# Altium PCB IntelligentCarFor51PcbDoc.PcbDoc (part 13 of 14)
Units mil, origin at the board's own origin, x right, y up, seen from the top; angles counter-clockwise.
Board outline 2298.05 x 2090.03 mil, 2 copper layers (Top Layer, Bottom Layer); 55 components, 66 nets, 258 pads, 143 vias.
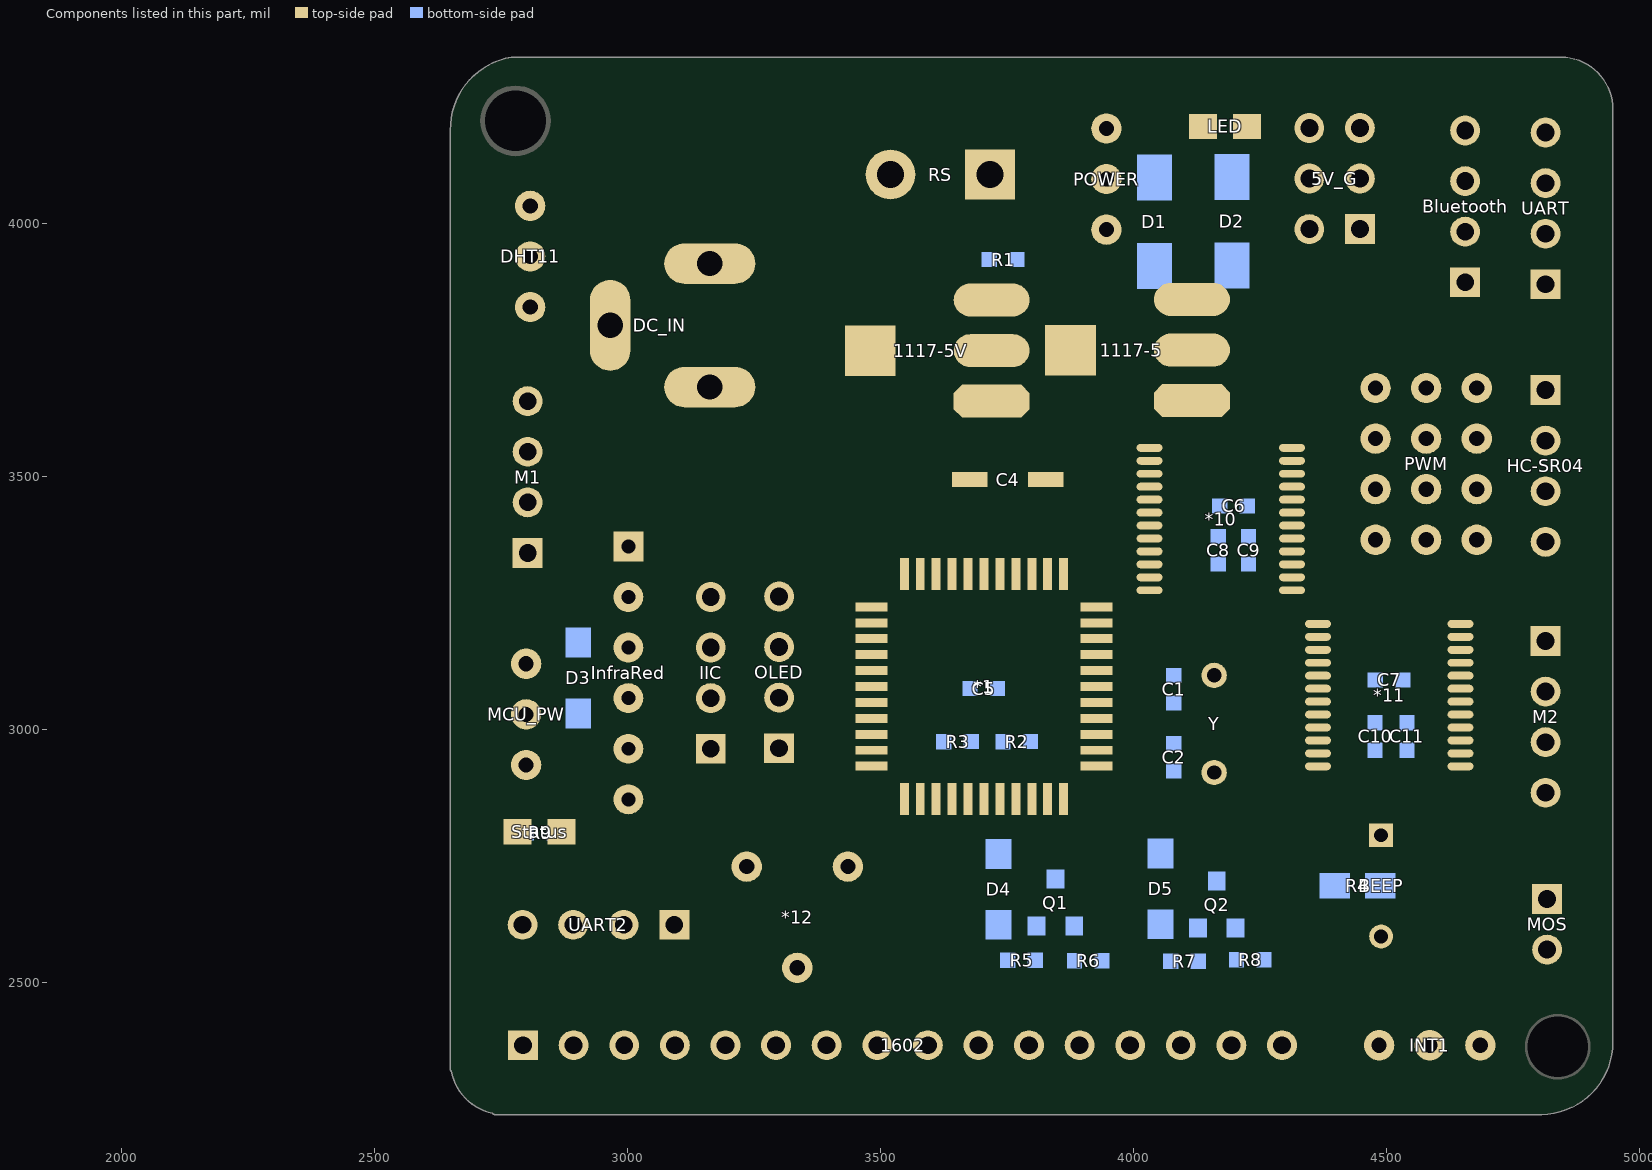
[diagram p13: the components of this part, seen from the top]

## Via types
v1: diameter 12, hole 8, Top Layer to Bottom Layer, 53 vias
v2: diameter 10, hole 7, Top Layer to Bottom Layer, 20 vias
v3: diameter 20, hole 12, Top Layer to Bottom Layer, 15 vias
v4: diameter 35, hole 25, Top Layer to Bottom Layer, 13 vias
v5: diameter 15, hole 10, Top Layer to Bottom Layer, 10 vias
v6: diameter 18, hole 12, Top Layer to Bottom Layer, 10 vias
v7: diameter 50, hole 35, Top Layer to Bottom Layer, 7 vias
v8: diameter 30, hole 20, Top Layer to Bottom Layer, 5 vias
v9: diameter 12, hole 7, Top Layer to Bottom Layer, 3 vias
v10: diameter 25, hole 18, Top Layer to Bottom Layer, 2 vias
v11: diameter 40, hole 30, Top Layer to Bottom Layer, 2 vias
v12: diameter 8, hole 7, Top Layer to Bottom Layer, 1 vias
v13: diameter 30, hole 22, Top Layer to Bottom Layer, 1 vias
v14: diameter 24, hole 18, Top Layer to Bottom Layer, 1 vias

## Nets (pads, with @x,y where several pads share a name; then routed paths per layer and width w, separated by ;. In a path a pad name is that pad's centre, name@x,y a point inside that pad or via, vN(x,y) a via of type N, cw(c..) or ccw(c..) an arc to the next point about the centre after c; other vN are vias at no path point) (continued)
copper on no net: (continued)
  Top Layer w0.5: 1916.5,2915.4 1954.5,2915.4 ; 1916.5,2915.9 1955,2915.9 ; 1916.5,2916.4 1955,2916.4 ; 1916.5,2916.9 1955,2916.9 ; 1916.5,2917.4 1955,2917.4 ; 1916.5,2917.9 1955.5,2917.9 ; 1916.5,2918.4 1955.5,2918.4 ; 1916.5,2918.9 1955.5,2918.9 ; 1916.5,2919.4 1918.5,2919.4 ; 1916.5,2919.9 1918,2919.9 ; 1916.5,2920.4 1918,2920.4 ; 1916.5,2920.9 1918,2920.9 ; 1916.5,2921.4 1918.5,2921.4 ; 1916.5,2921.9 1918.5,2921.9 ; 1917,2911.4 1954,2911.4 ; 1917,2911.9 1954,2911.9 ; 1917,2912.4 1954,2912.4 ; 1917,2912.9 1954,2912.9 ; 1917,2913.4 1954,2913.4 ; 1917,2913.9 1954,2913.9 ; 1917,2914.4 1954.5,2914.4 ; 1917,2914.9 1954.5,2914.9 ; 1917,2922.4 1919,2922.4 ; 1917,2922.9 1919.5,2922.9 ; 1917.5,2889.9 1923,2889.9 ; 1917.5,2890.4 1941.5,2890.4 ; 1917.5,2890.9 1932.5,2890.9 ; 1917.5,2891.4 1924.5,2891.4 ; 1917.5,2891.9 1922.5,2891.9 ; 1917.5,2892.4 1922.5,2892.4 ; 1917.5,2892.9 1922.5,2892.9 ; 1917.5,2893.4 1922.5,2893.4 ; 1917.5,2893.9 1937,2893.9 ; 1917.5,2894.4 1928.5,2894.4 ; 1917.5,2894.9 1923,2894.9 ; 1917.5,2895.4 1922.5,2895.4 ; 1917.5,2895.9 1922.5,2895.9 ; 1917.5,2896.4 1922.5,2896.4 ; 1917.5,2896.9 1990,2896.9 ; 1917.5,2897.4 1990.5,2897.4 ; 1917.5,2897.9 1990.5,2897.9 ; 1917.5,2898.4 1990.5,2898.4 ; 1917.5,2898.9 1991,2898.9 ; 1917.5,2899.4 1971,2899.4 ; 1917.5,2899.9 1964.5,2899.9 ; 1917.5,2900.4 1962,2900.4 ; 1917.5,2900.9 1960,2900.9 ; 1917.5,2901.4 1959,2901.4 ; 1917.5,2901.9 1958,2901.9 ; 1917.5,2902.4 1956.5,2902.4 ; 1917.5,2902.9 1956,2902.9 ; 1917.5,2903.4 1955.5,2903.4 ; 1917.5,2903.9 1955,2903.9 ; 1917.5,2904.4 1955,2904.4 ; 1917.5,2904.9 1954.5,2904.9 ; 1917.5,2905.4 1954,2905.4 ; 1917.5,2905.9 1954,2905.9 ; 1917.5,2906.4 1954,2906.4 ; 1917.5,2906.9 1954,2906.9 ; 1917.5,2907.4 1953.5,2907.4 ; 1917.5,2907.9 1953.5,2907.9 ; 1917.5,2908.4 1953.5,2908.4 ; 1917.5,2908.9 1953.5,2908.9 ; 1917.5,2909.4 1953.5,2909.4 ; 1917.5,2909.9 1953.5,2909.9 ; 1917.5,2910.4 1953.5,2910.4 ; 1917.5,2910.9 1953.5,2910.9 ; 1917.5,2923.4 1920.5,2923.4 ; 1918,2887.4 1931,2887.4 ; 1918,2887.9 1924,2887.9 ; 1918,2888.4 1923.5,2888.4 ; 1918,2888.9 1923,2888.9 ; 1918,2889.4 1923,2889.4 ; 1918,2923.9 1922,2923.9 ; 1918.5,2885.9 1989,2885.9 ; 1918.5,2886.4 1989,2886.4 ; 1918.5,2886.9 1943,2886.9 ; 1919,2884.9 1989.5,2884.9 ; 1919,2885.4 1989,2885.4 ; 1919,2919.4 1955.5,2919.4 ; 1919,2924.4 1923,2924.4 ; 1919.5,2883.9 1928,2883.9 ; 1919.5,2884.4 1927.5,2884.4 ; 1920,2882.9 1929.5,2882.9 ; 1920,2883.4 1928.5,2883.4 ; 1920,2924.9 1924,2924.9 ; 1920.5,2882.4 1931,2882.4 ; 1920.5,2925.4 1924,2925.4 ; 1921,2881.9 1932,2881.9 ; 1921.5,2881.4 1933,2881.4 ; 1922,2925.9 1924.5,2925.9 ; 1922.5,2880.9 1935,2880.9 ; 1922.5,2926.4 1924.5,2926.4 ; 1922.5,2926.9 1924.5,2926.9 ; 1922.5,2927.4 1924.5,2927.4 ; 1922.5,2927.9 1924.5,2927.9 ; 1922.5,2928.4 1924.5,2928.4 ; 1923,2880.4 1936.5,2880.4 ; 1923,2919.9 1956,2919.9 ; 1923,2928.9 1924.5,2928.9 ; 1923,2929.4 1924.5,2929.4 ; 1923,2929.9 1925,2929.9 ; 1923,2930.4 1925,2930.4 ; 1923,2930.9 1925,2930.9 ; 1923.5,2879.9 1938,2879.9 ; 1923.5,2931.4 1925.5,2931.4 ; 1923.5,2931.9 1925.5,2931.9 ; 1924,2932.4 1926,2932.4 ; 1924,2932.9 1926,2932.9 ; 1924.5,2879.4 1940,2879.4 ; 1924.5,2933.4 1926.5,2933.4 ; 1924.5,2933.9 1926.5,2933.9 ; 1925,2934.4 1927,2934.4 ; 1925,2934.9 1927,2934.9 ; 1925.5,2878.9 1942,2878.9 ; 1925.5,2889.9 1989,2889.9 ; 1925.5,2935.4 1927.5,2935.4 ; 1925.5,2935.9 1928,2935.9 ; 1926,2936.4 1928,2936.4 ; 1926.5,2936.9 1928.5,2936.9 ; 1926.5,2937.4 1929,2937.4 ; 1927,2878.4 1944.5,2878.4 ; 1927,2893.4 1989.5,2893.4 ; 1927,2937.9 1929.5,2937.9 ; 1927.5,2923.9 1974.5,2923.9 ; 1927.5,2924.4 1928.5,2924.4 ; 1927.5,2924.9 1928.5,2924.9 ; 1927.5,2925.4 1928.5,2925.4 ; 1927.5,2925.9 1928.5,2925.9 ; 1927.5,2926.4 1928.5,2926.4 ; 1927.5,2926.9 1928.5,2926.9 ; 1927.5,2938.4 1930,2938.4 ; 1928,2923.4 1945,2923.4 ; 1928,2927.4 1928.5,2927.4 ; 1928,2927.9 1929,2927.9 ; 1928,2928.4 1929,2928.4 ; 1928,2928.9 1929,2928.9 ; 1928,2938.9 1930.5,2938.9 ; 1928.5,2877.9 1947,2877.9 ; 1928.5,2929.4 1929,2929.4 ; 1928.5,2929.9 1929.5,2929.9 ; 1928.5,2930.4 1929.5,2930.4 ; 1928.5,2939.4 1931,2939.4 ; 1929,2930.9 1929.5,2930.9 ; 1929,2931.4 1930,2931.4 ; 1929,2939.9 1931.5,2939.9 ; 1929.5,2877.4 1949.5,2877.4 ; 1929.5,2884.4 1989.5,2884.4 ; 1929.5,2931.9 1930,2931.9 ; 1929.5,2932.4 1930.5,2932.4 ; 1929.5,2940.4 1932,2940.4 ; 1930,2932.9 1931,2932.9 ; 1930,2933.4 1931,2933.4 ; 1930,2940.9 1932.5,2940.9 ; 1930.5,2933.9 1931.5,2933.9 ; 1930.5,2941.4 1933,2941.4 ; 1931,2876.9 1952.5,2876.9 ; 1931,2896.4 1990,2896.4 ; 1931,2934.4 1932,2934.4 ; 1931,2934.9 1932,2934.9 ; 1931,2941.9 1934,2941.9 ; 1931.5,2935.4 1932.5,2935.4 ; 1931.5,2942.4 1934.5,2942.4 ; 1932,2935.9 1933,2935.9 ; 1932,2942.9 1935,2942.9 ; 1932.5,2936.4 1933,2936.4 ; 1932.5,2936.9 1933.5,2936.9 ; 1932.5,2943.4 1935.5,2943.4 ; 1933,2876.4 1955.5,2876.4 ; 1933,2937.4 1934,2937.4 ; 1933.5,2937.9 1934.5,2937.9 ; 1933.5,2943.9 1936.5,2943.9 ; 1934,2938.4 1935,2938.4 ; 1934,2944.4 1937,2944.4 ; 1934.5,2875.9 1959,2875.9 ; 1934.5,2938.9 1935.5,2938.9 ; 1935,2883.9 1989.5,2883.9 ; 1935,2939.4 1936,2939.4 ; 1935,2944.9 1938,2944.9 ; 1935.5,2929.9 1944,2929.9 ; 1935.5,2930.4 1944,2930.4 ; 1935.5,2930.9 1943.5,2930.9 ; 1935.5,2931.4 1943.5,2931.4 ; 1935.5,2931.9 1943.5,2931.9 ; 1935.5,2932.4 1943.5,2932.4 ; 1935.5,2932.9 1943.5,2932.9 ; 1935.5,2939.9 1936.5,2939.9 ; 1935.5,2945.4 1938.5,2945.4 ; 1936,2928.9 1947.5,2928.9 ; 1936,2929.4 1977.5,2929.4 ; 1936,2933.4 1943.5,2933.4 ; 1936,2933.9 1943.5,2933.9 ; 1936,2940.4 1937,2940.4 ; 1936,2945.9 1939.5,2945.9 ; 1936.5,2875.4 1962.5,2875.4 ; 1936.5,2928.4 1947,2928.4 ; 1936.5,2934.4 1943.5,2934.4 ; 1936.5,2934.9 1943.5,2934.9 ; 1936.5,2940.9 1938,2940.9 ; 1937,2889.4 1989,2889.4 ; 1937,2927.9 1945.5,2927.9 ; 1937,2935.4 1943.5,2935.4 ; 1937,2935.9 1943.5,2935.9 ; 1937,2941.4 1938.5,2941.4 ; 1937,2946.4 1940,2946.4 ; 1937.5,2927.4 1945.5,2927.4 ; 1937.5,2936.4 1943.5,2936.4 ; 1937.5,2946.9 1941,2946.9 ; 1938,2926.9 1946,2926.9 ; 1938,2936.9 1943.5,2936.9 ; 1938,2941.9 1939,2941.9 ; 1938.5,2937.4 1943.5,2937.4 ; 1938.5,2942.4 1940,2942.4 ; 1938.5,2947.4 1942,2947.4 ; 1939,2874.9 1968.5,2874.9 ; 1939,2926.4 1946.5,2926.4 ; 1939,2937.9 1943.5,2937.9 ; 1939,2942.9 1940.5,2942.9 ; 1939.5,2938.4 1943.5,2938.4 ; 1939.5,2947.9 1943,2947.9 ; 1940,2938.9 1943.5,2938.9 ; 1940,2943.4 1941.5,2943.4 ; 1940.5,2892.9 1989.5,2892.9 ; 1940.5,2925.9 1947,2925.9 ; 1940.5,2939.4 1944,2939.4 ; 1940.5,2943.9 1942,2943.9 ; 1940.5,2948.4 1944,2948.4 ; 1941,2883.4 1989.5,2883.4 ; 1941,2895.9 1990,2895.9 ; 1941,2939.9 1947.5,2939.9 ; 1941,2948.9 1945,2948.9 ; 1941.5,2874.4 1992.5,2874.4 ; 1941.5,2944.4 1955.5,2944.4 ; 1942,2894.9 1989.5,2894.9 ; 1942,2895.4 1990,2895.4 ; 1942,2940.4 1947.5,2940.4 ; 1942,2949.4 1946,2949.4 ; 1942.5,2894.4 1989.5,2894.4 ; 1942.5,2944.9 1958.5,2944.9 ; 1943,2893.9 1989.5,2893.9 ; 1943,2940.9 1947.5,2940.9 ; 1943,2949.9 1947,2949.9 ; 1943.5,2873.9 1993,2873.9 ; 1943.5,2943.9 1955,2943.9 ; 1943.5,2945.4 1961.5,2945.4 ; 1944,2892.4 1989,2892.4 ; 1944,2941.4 1948,2941.4 ; 1944,2950.4 1948.5,2950.4 ; 1944.5,2891.4 1989,2891.4 ; 1944.5,2891.9 1989,2891.9 ; 1944.5,2929.9 1978,2929.9 ; 1944.5,2930.4 1955,2930.4 ; 1944.5,2930.9 1955,2930.9 ; 1944.5,2931.4 1979,2931.4 ; 1944.5,2931.9 1951,2931.9 ; 1944.5,2932.4 1950.5,2932.4 ; 1944.5,2932.9 1947.5,2932.9 ; 1944.5,2933.4 1947.5,2933.4 ; 1944.5,2933.9 1947.5,2933.9 ; 1944.5,2934.4 1947.5,2934.4 ; 1944.5,2934.9 1947.5,2934.9 ; 1944.5,2935.4 1947.5,2935.4 ; 1944.5,2935.9 1947.5,2935.9 ; 1944.5,2936.4 1950.5,2936.4 ; 1944.5,2936.9 1950.5,2936.9 ; 1944.5,2937.4 1950.5,2937.4 ; 1944.5,2937.9 1950.5,2937.9 ; 1944.5,2938.4 1950.5,2938.4 ; 1944.5,2938.9 1950.5,2938.9 ; 1944.5,2939.4 1950.5,2939.4 ; 1944.5,2943.4 1958.5,2943.4 ; 1944.5,2945.9 1964.5,2945.9 ; 1945,2890.4 1989,2890.4 ; 1945,2890.9 1989,2890.9 ; 1945,2950.9 1949.5,2950.9 ; 1945.5,2923.4 1949.5,2923.4 ; 1945.5,2946.4 1968,2946.4 ; 1946,2873.4 1993,2873.4 ; 1946,2888.9 1989,2888.9 ; 1946,2925.4 1946.5,2925.4 ; 1946,2941.9 1948.5,2941.9 ; 1946,2951.4 1951,2951.4 ; 1946.5,2888.4 1989,2888.4 ; 1947,2887.4 1989,2887.4 ; 1947,2887.9 1989,2887.9 ; 1947,2942.9 1947.5,2942.9 ; 1947,2946.9 1971.5,2946.9 ; 1947,2951.9 1952.5,2951.9 ; 1947.5,2886.9 1989,2886.9 ; 1948,2882.9 1989.5,2882.9 ; 1948,2952.4 1953.5,2952.4 ; 1948.5,2872.9 1993.5,2872.9 ; 1948.5,2920.4 1956,2920.4 ; 1949,2947.4 1976.5,2947.4 ; 1949.5,2952.9 1955,2952.9 ; 1950.5,2923.4 1953.5,2923.4 ; 1950.5,2947.9 1981,2947.9 ; 1951,2872.4 1993.5,2872.4 ; 1951,2920.9 1956,2920.9 ; 1951,2953.4 1957,2953.4 ; 1951.5,2931.9 1979,2931.9 ; 1951.5,2932.4 1979,2932.4 ; 1951.5,2932.9 1979.5,2932.9 ; 1951.5,2933.4 1955,2933.4 ; 1951.5,2933.9 1954.5,2933.9 ; 1951.5,2934.4 1954.5,2934.4 ; 1951.5,2934.9 1954.5,2934.9 ; 1951.5,2935.4 1954.5,2935.4 ; 1951.5,2935.9 1954.5,2935.9 ; 1951.5,2936.4 1954.5,2936.4 ; 1951.5,2936.9 1954.5,2936.9 ; 1951.5,2937.4 1954.5,2937.4 ; 1951.5,2937.9 1954.5,2937.9 ; 1951.5,2938.4 1954.5,2938.4 ; 1951.5,2938.9 1954.5,2938.9 ; 1951.5,2939.4 1954.5,2939.4 ; 1951.5,2939.9 1955,2939.9 ; 1951.5,2940.4 1967,2940.4 ; 1951.5,2940.9 1966.5,2940.9 ; 1951.5,2941.4 1966,2941.4 ; 1951.5,2941.9 1965,2941.9 ; 1951.5,2942.4 1963.5,2942.4 ; 1951.5,2942.9 1961.5,2942.9 ; 1952,2948.4 1986,2948.4 ; 1952,2953.9 1958.5,2953.9 ; 1952.5,2921.4 1956,2921.4 ; 1953,2954.4 1960.5,2954.4 ; 1953.5,2921.9 1956.5,2921.9 ; 1953.5,2948.9 1990,2948.9 ; 1954.5,2922.4 1956.5,2922.4 ; 1954.5,2954.9 1962,2954.9 ; 1955,2871.9 1994,2871.9 ; 1955,2906.4 1968.5,2906.4 ; 1955,2906.9 1968.5,2906.9 ; 1955,2907.4 1968.5,2907.4 ; 1955,2907.9 1968.5,2907.9 ; 1955,2908.4 1968.5,2908.4 ; 1955,2908.9 1968.5,2908.9 ; 1955,2909.4 1968.5,2909.4 ; 1955,2909.9 1968.5,2909.9 ; 1955,2910.4 1968.5,2910.4 ; 1955,2910.9 1968.5,2910.9 ; 1955,2911.4 1969,2911.4 ; 1955,2911.9 1969,2911.9 ; 1955,2912.4 1969.5,2912.4 ; 1955,2949.4 1995.5,2949.4 ; 1955.5,2904.9 1968.5,2904.9 ; 1955.5,2905.4 1968.5,2905.4 ; 1955.5,2905.9 1968.5,2905.9 ; 1955.5,2912.9 1969.5,2912.9 ; 1955.5,2913.4 1969.5,2913.4 ; 1955.5,2913.9 1970,2913.9 ; 1955.5,2914.4 1970,2914.4 ; 1955.5,2914.9 1970,2914.9 ; 1955.5,2922.9 1956.5,2922.9 ; 1955.5,2923.4 1974.5,2923.4 ; 1955.5,2955.4 1964,2955.4 ; 1956,2882.4 1989.5,2882.4 ; 1956,2904.4 1969,2904.4 ; 1956,2915.4 1970.5,2915.4 ; 1956,2915.9 1970.5,2915.9 ; 1956,2916.4 1971,2916.4 ; 1956,2916.9 1971,2916.9 ; 1956,2917.4 1971.5,2917.4 ; 1956.5,2903.9 1969.5,2903.9 ; 1956.5,2917.9 1971.5,2917.9 ; 1956.5,2918.4 1971.5,2918.4 ; 1956.5,2918.9 1972,2918.9 ; 1956.5,2919.4 1972,2919.4 ; 1957,2903.4 1992.5,2903.4 ; 1957,2919.9 1972.5,2919.9 ; 1957,2920.4 1973,2920.4 ; 1957,2920.9 1973,2920.9 ; 1957,2924.4 1975,2924.4 ; 1957,2949.9 2001.5,2949.9 ; 1957,2955.9 1966,2955.9 ; 1957.5,2921.4 1973.5,2921.4 ; 1957.5,2921.9 1973.5,2921.9 ; 1957.5,2922.4 1974,2922.4 ; 1957.5,2924.9 1975,2924.9 ; 1958,2871.4 1994.5,2871.4 ; 1958,2902.9 1992.5,2902.9 ; 1958,2922.9 1974,2922.9 ; 1958,2925.4 1975.5,2925.4 ; 1958,2925.9 1976,2925.9 ; 1958,2926.4 1976,2926.4 ; 1958.5,2926.9 1976.5,2926.9 ; 1958.5,2927.4 1977,2927.4 ; 1958.5,2927.9 1977,2927.9 ; 1959,2902.4 1992,2902.4 ; 1959,2928.4 1977,2928.4 ; 1959,2928.9 1977.5,2928.9 ; 1959,2956.4 1968.5,2956.4 ; 1959.5,2930.4 1978.5,2930.4 ; 1959.5,2930.9 1978.5,2930.9 ; 1959.5,2950.4 2009,2950.4 ; 1960,2956.9 1971,2956.9 ; 1960.5,2870.9 1995,2870.9 ; 1961,2901.9 1992,2901.9 ; 1961,2933.4 1979.5,2933.4 ; 1961.5,2933.9 1963,2933.9 ; 1961.5,2957.4 1973,2957.4 ; 1962,2934.4 1963,2934.4 ; 1962,2934.9 1963,2934.9 ; 1962,2950.9 2016.5,2950.9 ; 1962.5,2935.4 1963.5,2935.4 ; 1962.5,2939.9 1967,2939.9 ; 1963,2870.4 1995,2870.4 ; 1963,2881.9 1990,2881.9 ; 1963,2901.4 1991.5,2901.4 ; 1963,2935.9 1964,2935.9 ; 1963,2957.9 1975,2957.9 ; 1963.5,2936.4 1964.5,2936.4 ; 1964,2936.9 1965,2936.9 ; 1964,2937.4 1965,2937.4 ; 1964,2951.4 2024.5,2951.4 ; 1964.5,2937.9 1965.5,2937.9 ; 1964.5,2958.4 1978,2958.4 ; 1965,2938.4 1966,2938.4 ; 1965,2939.4 1966.5,2939.4 ; 1965.5,2869.9 1995.5,2869.9 ; 1965.5,2900.9 1991.5,2900.9 ; 1965.5,2938.9 1966.5,2938.9 ; 1966,2951.9 2032,2951.9 ; 1966,2958.9 1980.5,2958.9 ; 1968,2933.9 1979.5,2933.9 ; 1968,2959.4 1984,2959.4 ; 1968.5,2869.4 1973,2869.4 ; 1968.5,2952.4 2040.5,2952.4 ; 1970,2934.4 1980,2934.4 ; 1970,2959.9 1987,2959.9 ; 1971,2952.9 2050,2952.9 ; 1971.5,2903.9 1993,2903.9 ; 1971.5,2960.4 1990,2960.4 ; 1972,2881.4 1990,2881.4 ; 1972,2900.4 1991.5,2900.4 ; 1972.5,2904.4 1993.5,2904.4 ; 1972.5,2934.9 1980,2934.9 ; 1973,2904.9 1993.5,2904.9 ; 1973,2960.9 1993.5,2960.9 ; 1973.5,2905.4 1994,2905.4 ; 1973.5,2905.9 1994,2905.9 ; 1974,2877.4 1991.5,2877.4 ; 1974,2877.9 1991,2877.9 ; 1974,2878.4 1991,2878.4 ; 1974,2878.9 1990.5,2878.9 ; 1974,2879.4 1990.5,2879.4 ; 1974,2879.9 1990.5,2879.9 ; 1974,2880.4 1990.5,2880.4 ; 1974,2880.9 1990,2880.9 ; 1974,2906.4 1994.5,2906.4 ; 1974.5,2874.9 1992.5,2874.9 ; 1974.5,2875.4 1992,2875.4 ; 1974.5,2875.9 1992,2875.9 ; 1974.5,2876.4 1991.5,2876.4 ; 1974.5,2876.9 1991.5,2876.9 ; 1974.5,2906.9 1995,2906.9 ; 1974.5,2907.4 1995,2907.4 ; 1975,2907.9 1995.5,2907.9 ; 1975,2908.4 1996,2908.4 ; 1975,2953.4 2063.5,2953.4 ; 1975,2961.4 1997,2961.4 ; 1975.5,2899.4 1991,2899.4 ; 1975.5,2899.9 1991,2899.9 ; 1975.5,2908.9 1996.5,2908.9 ; 1976,2909.4 1997,2909.4 ; 1976,2909.9 1997.5,2909.9 ; 1976,2935.4 1979.5,2935.4 ; 1976.5,2910.4 1998,2910.4 ; 1976.5,2910.9 1998,2910.9 ; 1977,2911.4 1999,2911.4 ; 1977,2911.9 1999.5,2911.9 ; 1977,2961.9 2001,2961.9 ; 1977.5,2912.4 2000,2912.4 ; 1978,2912.9 2000.5,2912.9 ; 1978,2913.4 2001,2913.4 ; 1978,2953.9 2076,2953.9 ; 1978.5,2913.9 2001.5,2913.9 ; 1979,2914.4 2002.5,2914.4 ; 1979.5,2914.9 2003,2914.9 ; 1979.5,2915.4 2004,2915.4 ; 1979.5,2962.4 2007,2962.4 ; 1980,2915.9 2004.5,2915.9 ; 1980.5,2916.4 2005.5,2916.4 ; 1980.5,2916.9 2006.5,2916.9 ; 1981,2917.4 2008,2917.4 ; 1981,2954.4 2090.5,2954.4 ; 1981.5,2917.9 2009,2917.9 ; 1981.5,2962.9 2011.5,2962.9 ; 1982,2918.4 2010,2918.4 ; 1982.5,2918.9 2012,2918.9 ; 1983,2919.4 2013.5,2919.4 ; 1983,2919.9 2016.5,2919.9 ; 1983.5,2869.4 1996,2869.4 ; 1983.5,2963.4 2016,2963.4 ; 1984,2868.4 1996.5,2868.4 ; 1984,2868.9 1996,2868.9 ; 1984,2920.4 2033,2920.4 ; 1984,2920.9 2031.5,2920.9 ; 1984,2954.9 2154,2954.9 ; 1984.5,2867.4 1997.5,2867.4 ; 1984.5,2867.9 1997,2867.9 ; 1984.5,2921.4 2029,2921.4 ; 1985,2866.4 1998.5,2866.4 ; 1985,2866.9 1998,2866.9 ; 1985.5,2865.9 1994.5,2865.9 ; 1985.5,2921.9 2026,2921.9 ; 1985.5,2922.4 2025,2922.4 ; 1985.5,2963.9 2020.5,2963.9 ; 1986,2864.9 1995,2864.9 ; 1986,2865.4 1994.5,2865.4 ; 1986,2922.9 2024.5,2922.9 ; 1986.5,2864.4 1995,2864.4 ; 1987,2863.4 1996,2863.4 ; 1987,2863.9 1995.5,2863.9 ; 1987,2923.4 2025,2923.4 ; 1987.5,2862.9 1996.5,2862.9 ; 1987.5,2923.9 2025,2923.9 ; 1987.5,2955.4 2153.5,2955.4 ; 1987.5,2964.4 2026.5,2964.4 ; 1988,2862.4 1997,2862.4 ; 1988,2924.4 2026,2924.4 ; 1988.5,2861.9 1997,2861.9 ; 1988.5,2924.9 2027.5,2924.9 ; 1989,2861.4 1997.5,2861.4 ; 1989,2925.4 2052,2925.4 ; 1989.5,2860.4 1998.5,2860.4 ; 1989.5,2860.9 1998,2860.9 ; 1990,2859.9 1999.5,2859.9 ; 1990,2925.9 2051.5,2925.9 ; 1990,2964.9 2032.5,2964.9 ; 1990.5,2926.4 2050.5,2926.4 ; 1991,2859.4 2000,2859.4 ; 1991,2926.9 2050,2926.9 ; 1991,2955.9 2153.5,2955.9 ; 1991.5,2858.9 2001,2858.9 ; 1992,2857.9 2002.5,2857.9 ; 1992,2858.4 2001.5,2858.4 ; 1992,2927.4 2049,2927.4 ; 1992.5,2857.4 2003.5,2857.4 ; 1992.5,2927.9 2048.5,2927.9 ; 1992.5,2965.4 2041,2965.4 ; 1993.5,2856.9 2004.5,2856.9 ; 1993.5,2928.4 2048,2928.4 ; 1994,2856.4 2005.5,2856.4 ; 1994,2928.9 2047,2928.9 ; 1994.5,2855.9 2007,2855.9 ; 1995,2855.4 2008.5,2855.4 ; 1995,2865.9 1999,2865.9 ; 1995,2929.4 2046,2929.4 ; 1995,2965.9 2049.5,2965.9 ; 1995.5,2865.4 1999.5,2865.4 ; 1996,2854.9 2011,2854.9 ; 1996,2864.9 2000,2864.9 ; 1996,2886.4 1998,2886.4 ; 1996,2886.9 1999.5,2886.9 ; 1996,2887.4 2001,2887.4 ; 1996,2887.9 2002.5,2887.9 ; 1996,2888.4 2004,2888.4 ; 1996,2888.9 2005,2888.9 ; 1996,2889.4 2006.5,2889.4 ; 1996,2889.9 2008,2889.9 ; 1996,2890.4 2009,2890.4 ; 1996,2890.9 2010,2890.9 ; 1996,2891.4 2010.5,2891.4 ; 1996,2891.9 2010.5,2891.9 ; 1996,2892.4 2011,2892.4 ; 1996,2892.9 2010.5,2892.9 ; 1996,2929.9 2045,2929.9 ; 1996,2956.4 2153,2956.4 ; 1996.5,2854.4 2013.5,2854.4 ; 1996.5,2864.4 2001,2864.4 ; 1996.5,2893.4 2010.5,2893.4 ; 1996.5,2893.9 2010.5,2893.9 ; 1996.5,2894.4 2010,2894.4 ; 1996.5,2894.9 2010,2894.9 ; 1997,2863.9 2001.5,2863.9 ; 1997,2895.4 2009.5,2895.4 ; 1997,2895.9 2009,2895.9 ; 1997,2896.4 2009,2896.4 ; 1997,2930.4 2044,2930.4 ; 1997.5,2853.9 2044,2853.9 ; 1997.5,2863.4 2002,2863.4 ; 1997.5,2896.9 2008.5,2896.9 ; 1997.5,2897.4 2008,2897.4 ; 1997.5,2897.9 2008,2897.9 ; 1997.5,2966.4 2061.5,2966.4 ; 1998,2853.4 2043,2853.4 ; 1998,2898.4 2007.5,2898.4 ; 1998,2898.9 2007,2898.9 ; 1998,2930.9 2043,2930.9 ; 1998.5,2862.9 2003,2862.9 ; 1998.5,2899.4 2007,2899.4 ; 1998.5,2899.9 2006.5,2899.9 ; 1999,2852.9 2042.5,2852.9 ; 1999,2862.4 2003.5,2862.4 ; 1999,2876.4 2015.5,2876.4 ; 1999,2876.9 2015.5,2876.9 ; 1999,2900.4 2006,2900.4 ; 1999,2900.9 2006,2900.9 ; 1999,2931.4 2042.5,2931.4 ; 1999.5,2861.9 2004.5,2861.9 ; 1999.5,2875.9 2015.5,2875.9 ; 1999.5,2901.4 2005.5,2901.4 ; 1999.5,2901.9 2005,2901.9 ; 2000,2852.4 2041.5,2852.4 ; 2000,2861.4 2005,2861.4 ; 2000,2874.9 2015.5,2874.9 ; 2000,2875.4 2015.5,2875.4 ; 2000,2877.4 2015.5,2877.4 ; 2000,2902.4 2004.5,2902.4 ; 2000,2931.9 2041,2931.9 ; 2000,2956.9 2153,2956.9 ; 2000,2966.9 2106,2966.9 ; 2000.5,2851.9 2040.5,2851.9 ; 2000.5,2874.4 2015.5,2874.4 ; 2000.5,2902.9 2004.5,2902.9 ; 2001,2860.9 2006,2860.9 ; 2001,2873.4 2015.5,2873.4 ; 2001,2873.9 2015.5,2873.9 ; 2001,2903.4 2004,2903.4 ; 2001,2903.9 2004,2903.9 ; 2001.5,2851.4 2039.5,2851.4 ; 2001.5,2860.4 2007,2860.4 ; 2001.5,2872.9 2015.5,2872.9 ; 2001.5,2904.4 2003.5,2904.4 ; 2001.5,2932.4 2040,2932.4 ; 2002,2872.4 2015.5,2872.4 ; 2002,2877.9 2015.5,2877.9 ; 2002,2904.9 2003,2904.9 ; 2002.5,2859.9 2008.5,2859.9 ; 2002.5,2871.9 2015.5,2871.9 ; 2002.5,2932.9 2038.5,2932.9 ; 2002.5,2967.4 2106.5,2967.4 ; 2003,2850.9 2038.5,2850.9 ; 2003,2871.4 2015.5,2871.4 ; 2003.5,2859.4 2009.5,2859.4 ; 2003.5,2870.9 2015.5,2870.9 ; 2004,2850.4 2037.5,2850.4 ; 2004,2858.9 2011,2858.9 ; 2004,2870.4 2015.5,2870.4 ; 2004,2878.4 2015.5,2878.4 ; 2004,2933.4 2037.5,2933.4 ; 2004.5,2869.9 2015.5,2869.9 ; 2004.5,2957.4 2153,2957.4 ; 2005,2849.9 2036.5,2849.9 ; 2005,2858.4 2013,2858.4 ; 2005.5,2869.4 2015.5,2869.4 ; 2005.5,2878.9 2015.5,2878.9 ; 2005.5,2933.9 2036,2933.9 ; 2005.5,2967.9 2107,2967.9 ; 2006,2849.4 2035,2849.4 ; 2006,2857.9 2015,2857.9 ; 2006,2868.9 2016,2868.9 ; 2007,2857.4 2048.5,2857.4 ; 2007,2868.4 2016,2868.4 ; 2007,2879.4 2015,2879.4 ; 2007,2934.4 2034,2934.4 ; 2007.5,2848.9 2033.5,2848.9 ; 2007.5,2867.9 2016,2867.9 ; 2008,2867.4 2016,2867.4 ; 2008.5,2856.9 2048,2856.9 ; 2008.5,2957.9 2152.5,2957.9 ; 2009,2866.9 2016,2866.9 ; 2009,2879.9 2015,2879.9 ; 2009,2934.9 2032,2934.9 ; 2009,2968.4 2108,2968.4 ; 2009.5,2848.4 2032,2848.4 ; 2010,2856.4 2047,2856.4 ; 2010,2866.4 2016,2866.4 ; 2010,2910.9 2030.5,2910.9 ; 2010.5,2880.4 2014.5,2880.4 ; 2010.5,2909.9 2030,2909.9 ; 2010.5,2910.4 2030.5,2910.4 ; 2011,2909.4 2029.5,2909.4 ; 2011,2911.4 2030,2911.4 ; 2011.5,2847.9 2029.5,2847.9 ; 2011.5,2855.9 2046.5,2855.9 ; 2011.5,2865.9 2016,2865.9 ; 2011.5,2908.9 2029.5,2908.9 ; 2012,2908.4 2029,2908.4 ; 2012,2935.4 2029.5,2935.4 ; 2012,2968.9 2108.5,2968.9 ; 2012.5,2880.9 2014,2880.9 ; 2012.5,2907.4 2028,2907.4 ; 2012.5,2907.9 2028.5,2907.9 ; 2012.5,2911.9 2028.5,2911.9 ; 2013,2865.4 2016,2865.4 ; 2013,2906.9 2027.5,2906.9 ; 2013.5,2855.4 2046,2855.4 ; 2013.5,2886.4 2015,2886.4 ; 2013.5,2886.9 2015,2886.9 ; 2013.5,2887.4 2014.5,2887.4 ; 2013.5,2906.4 2027.5,2906.4 ; 2013.5,2958.4 2152.5,2958.4 ; 2014,2905.4 2026.5,2905.4 ; 2014,2905.9 2027,2905.9 ; 2014,2912.4 2027,2912.4 ; 2014.5,2847.4 2027,2847.4 ; 2014.5,2904.9 2026,2904.9 ; 2015,2864.9 2015.5,2864.9 ; 2015,2904.4 2025.5,2904.4 ; 2015,2935.9 2026,2935.9 ; 2015,2969.4 2109.5,2969.4 ; 2015.5,2854.9 2045.5,2854.9 ; 2015.5,2893.9 2017.5,2893.9 ; 2015.5,2903.9 2025.5,2903.9 ; 2016,2893.4 2017,2893.4 ; 2016,2894.4 2017.5,2894.4 ; 2016,2894.9 2017,2894.9 ; 2016,2902.9 2024.5,2902.9 ; 2016,2903.4 